# Altium PCB PCB.PcbDoc (part 2 of 3)
Units mm, origin at the board's own origin, x right, y up, seen from the top; angles counter-clockwise.
Board outline 120 x 68 mm, 2 copper layers (Layer 1, Layer 2), stack 1.465 mm thick; 46 components, 6 nets, 90 pads, 3810 vias.
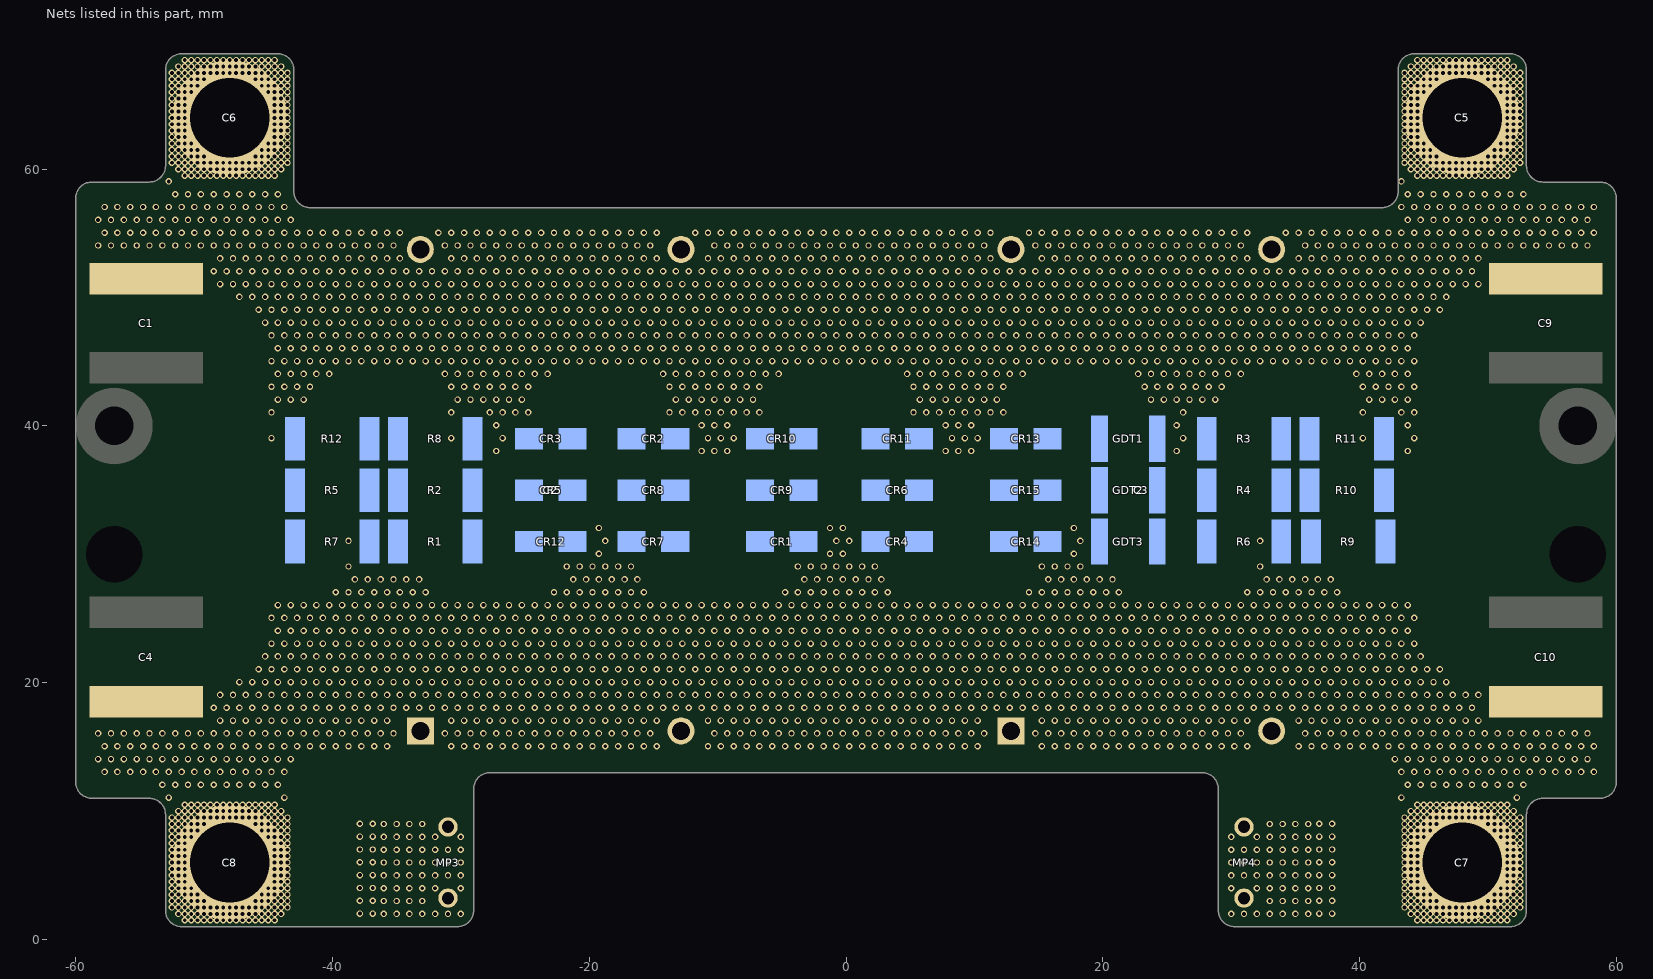
[diagram p2: the nets of this part, all layers, seen from the top]

## Via types
v1: diameter 0.5, hole 0.3, Layer 1 to Layer 2, tented both sides, 3802 vias
v2: diameter 0.635, hole 0.33, Layer 1 to Layer 2, tented both sides, 6 vias
v3: diameter 0.635, hole 0.33, Layer 1 to Layer 2, 2 vias

## Nets (pads, with @x,y where several pads share a name; then routed paths per layer and width w, separated by ;. In a path a pad name is that pad's centre, name@x,y a point inside that pad or via, vN(x,y) a via of type N, cw(c..) or ccw(c..) an arc to the next point about the centre after c; other vN are vias at no path point) (continued)
HV+: C1.1 C2.3 C2.4 C3.3 C3.4 C5.1 C6.1 C9.1 CR1.1 CR2.1 CR3.1 CR4.1 CR5.1 CR6.1 CR7.1 CR8.1 CR9.1 CR10.1 CR11.1 CR12.1 CR13.1 CR14.1 CR15.1 GDT1.1 GDT2.1 GDT3.1 R1.2 R2.2 R3.2 R4.2 R5.2 R6.2 R7.2 R8.2 R9.2 R10.2 R11.2 R12.2
  other v1: -27.245,38.053 -11.245,38.053 -10.245,38.053 -9.245,38.053 7.755,38.053 8.755,38.053 9.755,38.053 25.755,38.053 43.755,38.053 -44.745,39.053 -30.745,39.053 -26.745,39.053 -10.745,39.053 -9.745,39.053 -8.745,39.053 8.255,39.053 9.255,39.053 10.255,39.053 26.255,39.053 40.255,39.053 44.255,39.053 -27.245,40.053 -11.245,40.053 -10.245,40.053 -9.245,40.053 7.755,40.053 8.755,40.053 9.755,40.053 25.755,40.053 43.755,40.053 -44.745,41.053 -30.745,41.053 -27.745,41.053 -26.745,41.053 -25.745,41.053 -24.745,41.053 -13.745,41.053 -12.745,41.053 -11.745,41.053 -10.745,41.053 -9.745,41.053 -8.745,41.053 -7.745,41.053 -6.745,41.053 5.255,41.053 6.255,41.053 7.255,41.053 8.255,41.053 9.255,41.053 10.255,41.053 11.255,41.053 12.255,41.053 26.255,41.053 40.255,41.053 43.255,41.053 44.255,41.053 -44.245,42.053 -43.245,42.053 -42.245,42.053 -30.245,42.053 -29.245,42.053 -28.245,42.053 -27.245,42.053 -26.245,42.053 -25.245,42.053 -13.245,42.053 -12.245,42.053 -11.245,42.053 -10.245,42.053 -9.245,42.053 -8.245,42.053 -7.245,42.053 5.755,42.053 6.755,42.053 7.755,42.053 8.755,42.053 9.755,42.053 10.755,42.053 11.755,42.053 23.755,42.053 24.755,42.053 25.755,42.053 26.755,42.053 27.755,42.053 28.755,42.053 40.755,42.053 41.755,42.053 42.755,42.053 43.755,42.053 -44.745,43.053 -43.745,43.053 -42.745,43.053 -41.745,43.053 -30.745,43.053 -29.745,43.053 -28.745,43.053 -27.745,43.053 -26.745,43.053 -25.745,43.053 -24.745,43.053 -13.745,43.053 -12.745,43.053 -11.745,43.053 -10.745,43.053 -9.745,43.053 -8.745,43.053 -7.745,43.053 -6.745,43.053 5.255,43.053 6.255,43.053 7.255,43.053 8.255,43.053 9.255,43.053 10.255,43.053 11.255,43.053 12.255,43.053 23.255,43.053 24.255,43.053 25.255,43.053 26.255,43.053 27.255,43.053 28.255,43.053 29.255,43.053 40.255,43.053 41.255,43.053 42.255,43.053 43.255,43.053 44.255,43.053 -44.245,44.053 -43.245,44.053 -42.245,44.053 -41.245,44.053 -40.245,44.053 -31.245,44.053 -30.245,44.053 -29.245,44.053 -28.245,44.053 -27.245,44.053 -26.245,44.053 -25.245,44.053 -24.245,44.053 -23.245,44.053 -14.245,44.053 -13.245,44.053 -12.245,44.053 -11.245,44.053 -10.245,44.053 -9.245,44.053 -8.245,44.053 -7.245,44.053 -6.245,44.053 -5.245,44.053 4.755,44.053 5.755,44.053 6.755,44.053 7.755,44.053 8.755,44.053 9.755,44.053 10.755,44.053 11.755,44.053 12.755,44.053 13.755,44.053 22.755,44.053 23.755,44.053 24.755,44.053 25.755,44.053 26.755,44.053 27.755,44.053 28.755,44.053 29.755,44.053 30.755,44.053 39.755,44.053 40.755,44.053 41.755,44.053 42.755,44.053 43.755,44.053 -44.745,45.053 -43.745,45.053 -42.745,45.053 -41.745,45.053 -40.745,45.053 -39.745,45.053 -38.745,45.053 -37.745,45.053 -36.745,45.053 -35.745,45.053 -34.745,45.053 -33.745,45.053 -32.745,45.053 -31.745,45.053 -30.745,45.053 -29.745,45.053 -28.745,45.053 -27.745,45.053 -26.745,45.053 -25.745,45.053 -24.745,45.053 -23.745,45.053 -22.745,45.053 -21.745,45.053 -20.745,45.053 -19.745,45.053 -18.745,45.053 -17.745,45.053 -16.745,45.053 -15.745,45.053 -14.745,45.053 -13.745,45.053 -12.745,45.053 -11.745,45.053 -10.745,45.053 -9.745,45.053 -8.745,45.053 -7.745,45.053 -6.745,45.053 -5.745,45.053 -4.745,45.053 -3.745,45.053 -2.745,45.053 -1.745,45.053 -0.745,45.053 0.255,45.053 1.255,45.053 2.255,45.053 3.255,45.053 4.255,45.053 5.255,45.053 6.255,45.053 7.255,45.053 8.255,45.053 9.255,45.053 10.255,45.053 11.255,45.053 12.255,45.053 13.255,45.053 14.255,45.053 15.255,45.053 16.255,45.053 17.255,45.053 18.255,45.053 19.255,45.053 20.255,45.053 21.255,45.053 22.255,45.053 23.255,45.053 24.255,45.053 25.255,45.053 26.255,45.053 27.255,45.053 28.255,45.053 29.255,45.053 30.255,45.053 31.255,45.053 32.255,45.053 33.255,45.053 34.255,45.053 35.255,45.053 36.255,45.053 37.255,45.053 38.255,45.053 39.255,45.053 40.255,45.053 41.255,45.053 42.255,45.053 43.255,45.053 44.255,45.053 -44.245,46.053 -43.245,46.053 -42.245,46.053 -41.245,46.053 -40.245,46.053 -39.245,46.053 -38.245,46.053 -37.245,46.053 -36.245,46.053 -35.245,46.053 -34.245,46.053 -33.245,46.053 -32.245,46.053 -31.245,46.053 -30.245,46.053 -29.245,46.053 -28.245,46.053 -27.245,46.053 -26.245,46.053 -25.245,46.053 -24.245,46.053 -23.245,46.053 -22.245,46.053 -21.245,46.053 -20.245,46.053 -19.245,46.053 -18.245,46.053 -17.245,46.053 -16.245,46.053 -15.245,46.053 -14.245,46.053 -13.245,46.053 -12.245,46.053 -11.245,46.053 -10.245,46.053 -9.245,46.053 -8.245,46.053 -7.245,46.053 -6.245,46.053 -5.245,46.053 -4.245,46.053 -3.245,46.053 -2.245,46.053 -1.245,46.053 -0.245,46.053 0.755,46.053 1.755,46.053 2.755,46.053 3.755,46.053 4.755,46.053 5.755,46.053 6.755,46.053 7.755,46.053 8.755,46.053 9.755,46.053 10.755,46.053 11.755,46.053 12.755,46.053 13.755,46.053 14.755,46.053 15.755,46.053 16.755,46.053 17.755,46.053 18.755,46.053 19.755,46.053 20.755,46.053 21.755,46.053 22.755,46.053 23.755,46.053 24.755,46.053 25.755,46.053 26.755,46.053 27.755,46.053 28.755,46.053 29.755,46.053 30.755,46.053 31.755,46.053 32.755,46.053 33.755,46.053 34.755,46.053 35.755,46.053 36.755,46.053 37.755,46.053 38.755,46.053 39.755,46.053 40.755,46.053 41.755,46.053 42.755,46.053 43.755,46.053 -44.745,47.053 -43.745,47.053 -42.745,47.053 -41.745,47.053 -40.745,47.053 -39.745,47.053 -38.745,47.053 -37.745,47.053 -36.745,47.053 -35.745,47.053 -34.745,47.053 -33.745,47.053 -32.745,47.053 -31.745,47.053 -30.745,47.053 -29.745,47.053 -28.745,47.053 -27.745,47.053 -26.745,47.053 -25.745,47.053 -24.745,47.053 -23.745,47.053 -22.745,47.053 -21.745,47.053 -20.745,47.053 -19.745,47.053 -18.745,47.053 -17.745,47.053 -16.745,47.053 -15.745,47.053 -14.745,47.053 -13.745,47.053 -12.745,47.053 -11.745,47.053 -10.745,47.053 -9.745,47.053 -8.745,47.053 -7.745,47.053 -6.745,47.053 -5.745,47.053 -4.745,47.053 -3.745,47.053 -2.745,47.053 -1.745,47.053 -0.745,47.053 0.255,47.053 1.255,47.053 2.255,47.053 3.255,47.053 4.255,47.053 5.255,47.053 6.255,47.053 7.255,47.053 8.255,47.053 9.255,47.053 10.255,47.053 11.255,47.053 12.255,47.053 13.255,47.053 14.255,47.053 15.255,47.053 16.255,47.053 17.255,47.053 18.255,47.053 19.255,47.053 20.255,47.053 21.255,47.053 22.255,47.053 23.255,47.053 24.255,47.053 25.255,47.053 26.255,47.053 27.255,47.053 28.255,47.053 29.255,47.053 30.255,47.053 31.255,47.053 32.255,47.053 33.255,47.053 34.255,47.053 35.255,47.053 36.255,47.053 37.255,47.053 38.255,47.053 39.255,47.053 40.255,47.053 41.255,47.053 42.255,47.053 43.255,47.053 44.255,47.053 -45.245,48.053 -44.245,48.053 -43.245,48.053 -42.245,48.053 -41.245,48.053 -40.245,48.053 -39.245,48.053 -38.245,48.053 -37.245,48.053 -36.245,48.053 -35.245,48.053 -34.245,48.053 -33.245,48.053 -32.245,48.053 -31.245,48.053 -30.245,48.053 -29.245,48.053 -28.245,48.053 -27.245,48.053 -26.245,48.053 -25.245,48.053 -24.245,48.053 -23.245,48.053 -22.245,48.053 -21.245,48.053 -20.245,48.053 -19.245,48.053 -18.245,48.053 -17.245,48.053 -16.245,48.053 -15.245,48.053 -14.245,48.053 -13.245,48.053 -12.245,48.053 -11.245,48.053 -10.245,48.053 -9.245,48.053 -8.245,48.053 -7.245,48.053 -6.245,48.053 -5.245,48.053 -4.245,48.053 -3.245,48.053 -2.245,48.053 -1.245,48.053 -0.245,48.053 0.755,48.053 1.755,48.053 2.755,48.053 3.755,48.053 4.755,48.053 5.755,48.053 6.755,48.053 7.755,48.053 8.755,48.053 9.755,48.053 10.755,48.053 11.755,48.053 12.755,48.053 13.755,48.053 14.755,48.053 15.755,48.053 16.755,48.053 17.755,48.053 18.755,48.053 19.755,48.053 20.755,48.053 21.755,48.053 22.755,48.053 23.755,48.053 24.755,48.053 25.755,48.053 26.755,48.053 27.755,48.053 28.755,48.053 29.755,48.053 30.755,48.053 31.755,48.053 32.755,48.053 33.755,48.053 34.755,48.053 35.755,48.053 36.755,48.053 37.755,48.053 38.755,48.053 39.755,48.053 40.755,48.053 41.755,48.053 42.755,48.053 43.755,48.053 44.755,48.053 -45.745,49.053 -44.745,49.053 -43.745,49.053 -42.745,49.053 -41.745,49.053 -40.745,49.053 -39.745,49.053 -38.745,49.053 -37.745,49.053 -36.745,49.053 -35.745,49.053 -34.745,49.053 -33.745,49.053 -32.745,49.053 -31.745,49.053 -30.745,49.053 -29.745,49.053 -28.745,49.053 -27.745,49.053 -26.745,49.053 -25.745,49.053 -24.745,49.053 -23.745,49.053 -22.745,49.053 -21.745,49.053 -20.745,49.053 -19.745,49.053 -18.745,49.053 -17.745,49.053 -16.745,49.053 -15.745,49.053 -14.745,49.053 -13.745,49.053 -12.745,49.053 -11.745,49.053 -10.745,49.053 -9.745,49.053 -8.745,49.053 -7.745,49.053 -6.745,49.053 -5.745,49.053 -4.745,49.053 -3.745,49.053 -2.745,49.053 -1.745,49.053 -0.745,49.053 0.255,49.053 1.255,49.053 2.255,49.053 3.255,49.053 4.255,49.053 5.255,49.053 6.255,49.053 7.255,49.053 8.255,49.053 9.255,49.053 10.255,49.053 11.255,49.053 12.255,49.053 13.255,49.053 14.255,49.053 15.255,49.053 16.255,49.053 17.255,49.053 18.255,49.053 19.255,49.053 20.255,49.053 21.255,49.053 22.255,49.053 23.255,49.053 24.255,49.053 25.255,49.053 26.255,49.053 27.255,49.053 28.255,49.053 29.255,49.053 30.255,49.053 31.255,49.053 32.255,49.053 33.255,49.053 34.255,49.053 35.255,49.053 36.255,49.053 37.255,49.053 38.255,49.053 39.255,49.053 40.255,49.053 41.255,49.053 42.255,49.053 43.255,49.053 44.255,49.053 45.255,49.053 46.255,49.053 -47.245,50.053 -46.245,50.053 -45.245,50.053 -44.245,50.053 -43.245,50.053 -42.245,50.053 -41.245,50.053 -40.245,50.053 -39.245,50.053 -38.245,50.053 -37.245,50.053 -36.245,50.053 -35.245,50.053 -34.245,50.053 -33.245,50.053 -32.245,50.053 -31.245,50.053 -30.245,50.053 -29.245,50.053 -28.245,50.053 -27.245,50.053 -26.245,50.053 -25.245,50.053 -24.245,50.053 -23.245,50.053 -22.245,50.053 -21.245,50.053 -20.245,50.053 -19.245,50.053 -18.245,50.053 -17.245,50.053 -16.245,50.053 -15.245,50.053 -14.245,50.053 -13.245,50.053 -12.245,50.053 -11.245,50.053 -10.245,50.053 -9.245,50.053 -8.245,50.053 -7.245,50.053 -6.245,50.053 -5.245,50.053 -4.245,50.053 -3.245,50.053 -2.245,50.053 -1.245,50.053 -0.245,50.053 0.755,50.053 1.755,50.053 2.755,50.053 3.755,50.053 4.755,50.053 5.755,50.053 6.755,50.053 7.755,50.053 8.755,50.053 9.755,50.053 10.755,50.053 11.755,50.053 12.755,50.053 13.755,50.053 14.755,50.053 15.755,50.053 16.755,50.053 17.755,50.053 18.755,50.053 19.755,50.053 20.755,50.053 21.755,50.053 22.755,50.053 23.755,50.053 24.755,50.053 25.755,50.053 26.755,50.053 27.755,50.053 28.755,50.053 29.755,50.053 30.755,50.053 31.755,50.053 32.755,50.053 33.755,50.053 34.755,50.053 35.755,50.053 36.755,50.053 37.755,50.053 38.755,50.053 39.755,50.053 40.755,50.053 41.755,50.053 42.755,50.053 43.755,50.053 44.755,50.053 45.755,50.053 46.755,50.053 -48.745,51.053 -47.745,51.053 -46.745,51.053 -45.745,51.053 -44.745,51.053 -43.745,51.053 -42.745,51.053 -41.745,51.053 -40.745,51.053 -39.745,51.053 -38.745,51.053 -37.745,51.053 -36.745,51.053 -35.745,51.053 -34.745,51.053 -33.745,51.053 -32.745,51.053 -31.745,51.053 -30.745,51.053 -29.745,51.053 -28.745,51.053 -27.745,51.053 -26.745,51.053 -25.745,51.053 -24.745,51.053 -23.745,51.053 -22.745,51.053 -21.745,51.053 -20.745,51.053 -19.745,51.053 -18.745,51.053 -17.745,51.053 -16.745,51.053 -15.745,51.053 -14.745,51.053 -13.745,51.053 -12.745,51.053 -11.745,51.053 -10.745,51.053 -9.745,51.053 -8.745,51.053 -7.745,51.053 -6.745,51.053 -5.745,51.053 -4.745,51.053 -3.745,51.053 -2.745,51.053 -1.745,51.053 -0.745,51.053 0.255,51.053 1.255,51.053 2.255,51.053 3.255,51.053 4.255,51.053 5.255,51.053 6.255,51.053 7.255,51.053 8.255,51.053 9.255,51.053 10.255,51.053 11.255,51.053 12.255,51.053 13.255,51.053 14.255,51.053 15.255,51.053 16.255,51.053 17.255,51.053 18.255,51.053 19.255,51.053 20.255,51.053 21.255,51.053 22.255,51.053 23.255,51.053 24.255,51.053 25.255,51.053 26.255,51.053 27.255,51.053 28.255,51.053 29.255,51.053 30.255,51.053 31.255,51.053 32.255,51.053 33.255,51.053 34.255,51.053 35.255,51.053 36.255,51.053 37.255,51.053 38.255,51.053 39.255,51.053 40.255,51.053 41.255,51.053 42.255,51.053 43.255,51.053 44.255,51.053 45.255,51.053 46.255,51.053 47.255,51.053 48.255,51.053 49.255,51.053 -49.245,52.053 -48.245,52.053 -47.245,52.053 -46.245,52.053 -45.245,52.053 -44.245,52.053 -43.245,52.053 -42.245,52.053 -41.245,52.053 -40.245,52.053 -39.245,52.053 -38.245,52.053 -37.245,52.053 -36.245,52.053 -35.245,52.053 -34.245,52.053 -33.245,52.053 -32.245,52.053 -31.245,52.053 -30.245,52.053 -29.245,52.053 -28.245,52.053 -27.245,52.053 -26.245,52.053 -25.245,52.053 -24.245,52.053 -23.245,52.053 -22.245,52.053 -21.245,52.053 -20.245,52.053 -19.245,52.053 -18.245,52.053 -17.245,52.053 -16.245,52.053 -15.245,52.053 -14.245,52.053 -13.245,52.053 -12.245,52.053 -11.245,52.053 -10.245,52.053 -9.245,52.053 -8.245,52.053 -7.245,52.053 -6.245,52.053 -5.245,52.053 -4.245,52.053 -3.245,52.053 -2.245,52.053 -1.245,52.053 -0.245,52.053 0.755,52.053 1.755,52.053 2.755,52.053 3.755,52.053 4.755,52.053 5.755,52.053 6.755,52.053 7.755,52.053 8.755,52.053 9.755,52.053 10.755,52.053 11.755,52.053 12.755,52.053 13.755,52.053 14.755,52.053 15.755,52.053 16.755,52.053 17.755,52.053 18.755,52.053 19.755,52.053 20.755,52.053 21.755,52.053 22.755,52.053 23.755,52.053 24.755,52.053 25.755,52.053 26.755,52.053 27.755,52.053 28.755,52.053 29.755,52.053 30.755,52.053 31.755,52.053 32.755,52.053 33.755,52.053 34.755,52.053 35.755,52.053 36.755,52.053 37.755,52.053 38.755,52.053 39.755,52.053 40.755,52.053 41.755,52.053 42.755,52.053 43.755,52.053 44.755,52.053 45.755,52.053 46.755,52.053 47.755,52.053 48.755,52.053 -48.745,53.053 -47.745,53.053 -46.745,53.053 -45.745,53.053 -44.745,53.053 -43.745,53.053 -42.745,53.053 -41.745,53.053 -40.745,53.053 -39.745,53.053 -38.745,53.053 -37.745,53.053 -36.745,53.053 -35.745,53.053 -34.745,53.053 -30.745,53.053 -29.745,53.053 -28.745,53.053 -27.745,53.053 -26.745,53.053 -25.745,53.053 -24.745,53.053 -23.745,53.053 -22.745,53.053 -21.745,53.053 -20.745,53.053 -19.745,53.053 -18.745,53.053 -17.745,53.053 -16.745,53.053 -15.745,53.053 -14.745,53.053 -10.745,53.053 -9.745,53.053 -8.745,53.053 -7.745,53.053 -6.745,53.053 -5.745,53.053 -4.745,53.053 -3.745,53.053 -2.745,53.053 -1.745,53.053 -0.745,53.053 0.255,53.053 1.255,53.053 2.255,53.053 3.255,53.053 4.255,53.053 5.255,53.053 6.255,53.053 7.255,53.053 8.255,53.053 9.255,53.053 10.255,53.053 11.255,53.053 15.255,53.053 16.255,53.053 17.255,53.053 18.255,53.053 19.255,53.053 20.255,53.053 21.255,53.053 22.255,53.053 23.255,53.053 24.255,53.053 25.255,53.053 26.255,53.053 27.255,53.053 28.255,53.053 29.255,53.053 30.255,53.053 31.255,53.053 35.255,53.053 36.255,53.053 37.255,53.053 38.255,53.053 39.255,53.053 40.255,53.053 41.255,53.053 42.255,53.053 43.255,53.053 44.255,53.053 45.255,53.053 46.255,53.053 47.255,53.053 48.255,53.053 49.255,53.053 -58.245,54.053 -57.245,54.053 -56.245,54.053 -55.245,54.053 -54.245,54.053 -53.245,54.053 -52.245,54.053 -51.245,54.053 -50.245,54.053 -49.245,54.053 -48.245,54.053 -47.245,54.053 -46.245,54.053 -45.245,54.053 -44.245,54.053 -43.245,54.053 -42.245,54.053 -41.245,54.053 -40.245,54.053 -39.245,54.053 -38.245,54.053 -37.245,54.053 -36.245,54.053 -35.245,54.053 -31.245,54.053 -30.245,54.053 -29.245,54.053 -28.245,54.053 -27.245,54.053 -26.245,54.053 -25.245,54.053 -24.245,54.053 -23.245,54.053 -22.245,54.053 -21.245,54.053 -20.245,54.053 -19.245,54.053 -18.245,54.053 -17.245,54.053 -16.245,54.053 -15.245,54.053 -10.245,54.053 -9.245,54.053 -8.245,54.053 -7.245,54.053 -6.245,54.053 -5.245,54.053 -4.245,54.053 -3.245,54.053 -2.245,54.053 -1.245,54.053 -0.245,54.053 0.755,54.053 1.755,54.053 2.755,54.053 3.755,54.053 4.755,54.053 5.755,54.053 6.755,54.053 7.755,54.053 8.755,54.053 9.755,54.053 10.755,54.053 14.755,54.053 15.755,54.053 16.755,54.053 17.755,54.053 18.755,54.053 19.755,54.053 20.755,54.053 21.755,54.053 22.755,54.053 23.755,54.053 24.755,54.053 25.755,54.053 26.755,54.053 27.755,54.053 28.755,54.053 29.755,54.053 30.755,54.053 35.755,54.053 36.755,54.053 37.755,54.053 38.755,54.053 39.755,54.053 40.755,54.053 41.755,54.053 42.755,54.053 43.755,54.053 44.755,54.053 45.755,54.053 46.755,54.053 47.755,54.053 48.755,54.053 49.755,54.053 50.755,54.053 51.755,54.053 52.755,54.053 53.755,54.053 54.755,54.053 55.755,54.053 56.755,54.053 57.755,54.053 -57.745,55.053 -56.745,55.053 -55.745,55.053 -54.745,55.053 -53.745,55.053 -52.745,55.053 -51.745,55.053 -50.745,55.053 -49.745,55.053 -48.745,55.053 -47.745,55.053 -46.745,55.053 -45.745,55.053 -44.745,55.053 -43.745,55.053 -42.745,55.053 -41.745,55.053 -40.745,55.053 -39.745,55.053 -38.745,55.053 -37.745,55.053 -36.745,55.053 -35.745,55.053 -34.745,55.053 -31.745,55.053 -30.745,55.053 -29.745,55.053 -28.745,55.053 -27.745,55.053 -26.745,55.053 -25.745,55.053 -24.745,55.053 -23.745,55.053 -22.745,55.053 -21.745,55.053 -20.745,55.053 -19.745,55.053 -18.745,55.053 -17.745,55.053 -16.745,55.053 -15.745,55.053 -14.745,55.053 -11.745,55.053 -10.745,55.053 -9.745,55.053 -8.745,55.053 -7.745,55.053 -6.745,55.053 -5.745,55.053 -4.745,55.053 -3.745,55.053 -2.745,55.053 -1.745,55.053 -0.745,55.053 0.255,55.053 1.255,55.053 2.255,55.053 3.255,55.053 4.255,55.053 5.255,55.053 6.255,55.053 7.255,55.053 8.255,55.053 9.255,55.053 10.255,55.053 11.255,55.053 14.255,55.053 15.255,55.053 16.255,55.053 17.255,55.053 18.255,55.053 19.255,55.053 20.255,55.053 21.255,55.053 22.255,55.053 23.255,55.053 24.255,55.053 25.255,55.053 26.255,55.053 27.255,55.053 28.255,55.053 29.255,55.053 30.255,55.053 31.255,55.053 34.255,55.053 35.255,55.053 36.255,55.053 37.255,55.053 38.255,55.053 39.255,55.053 40.255,55.053 41.255,55.053 42.255,55.053 43.255,55.053 44.255,55.053 45.255,55.053 46.255,55.053 47.255,55.053 48.255,55.053 49.255,55.053 50.255,55.053 51.255,55.053 52.255,55.053 53.255,55.053 54.255,55.053 55.255,55.053 56.255,55.053 57.255,55.053 58.255,55.053 -58.245,56.053 -57.245,56.053 -56.245,56.053 -55.245,56.053 -54.245,56.053 -53.245,56.053 -52.245,56.053 -51.245,56.053 -50.245,56.053 -49.245,56.053 -48.245,56.053 -47.245,56.053 -46.245,56.053 -45.245,56.053 -44.245,56.053 -43.245,56.053 43.755,56.053 44.755,56.053 45.755,56.053 46.755,56.053 47.755,56.053 48.755,56.053 49.755,56.053 50.755,56.053 51.755,56.053 52.755,56.053 53.755,56.053 54.755,56.053 55.755,56.053 56.755,56.053 57.755,56.053 -57.745,57.053 -56.745,57.053 -55.745,57.053 -54.745,57.053 -53.745,57.053 -52.745,57.053 -51.745,57.053 -50.745,57.053 -49.745,57.053 -48.745,57.053 -47.745,57.053 -46.745,57.053 -45.745,57.053 -44.745,57.053 -43.745,57.053 43.255,57.053 44.255,57.053 45.255,57.053 46.255,57.053 47.255,57.053 48.255,57.053 49.255,57.053 50.255,57.053 51.255,57.053 52.255,57.053 53.255,57.053 54.255,57.053 55.255,57.053 56.255,57.053 57.255,57.053 58.255,57.053 -52.245,58.053 -51.245,58.053 -50.245,58.053 -49.245,58.053 -48.245,58.053 -47.245,58.053 -46.245,58.053 -45.245,58.053 -44.245,58.053 43.755,58.053 44.755,58.053 45.755,58.053 46.755,58.053 47.755,58.053 48.755,58.053 49.755,58.053 50.755,58.053 51.755,58.053 52.755,58.053 -52.745,59.053 43.255,59.053 -51.5,59.5 -51,59.5 -50.5,59.5 -50,59.5 -49.5,59.5 -49,59.5 -48.5,59.5 -48,59.5 -47.5,59.5 -47,59.5 -46.5,59.5 -46,59.5 -45.5,59.5 -45,59.5 -44.5,59.5 44.5,59.5 45,59.5 45.5,59.5 46,59.5 46.5,59.5 47,59.5 47.5,59.5 48,59.5 48.5,59.5 49,59.5 49.5,59.5 50,59.5 50.5,59.5 51,59.5 51.5,59.5 -52,60 -51.5,60 -51,60 -50.5,60 -50,60 -49.5,60 -49,60 -48.5,60 -48,60 -47.5,60 -47,60 -46.5,60 -46,60 -45.5,60 -45,60 -44.5,60 -44,60 44,60 44.5,60 45,60 45.5,60 46,60 46.5,60 47,60 47.5,60 48,60 48.5,60 49,60 49.5,60 50,60 50.5,60 51,60 51.5,60 52,60 -52.5,60.5 -52,60.5 -51.5,60.5 -51,60.5 -50.5,60.5 -50,60.5 -49.5,60.5 -49,60.5 -48.5,60.5 -48,60.5 -47.5,60.5 -47,60.5 -46.5,60.5 -46,60.5 -45.5,60.5 -45,60.5 -44.5,60.5 -44,60.5 -43.5,60.5 43.5,60.5 44,60.5 44.5,60.5 45,60.5 45.5,60.5 46,60.5 46.5,60.5 47,60.5 47.5,60.5 48,60.5 48.5,60.5 49,60.5 49.5,60.5 50,60.5 50.5,60.5 51,60.5 51.5,60.5 52,60.5 52.5,60.5 -52.5,61 -52,61 -51.5,61 -51,61 -50.5,61 -50,61 -46,61 -45.5,61 -45,61 -44.5,61 -44,61 -43.5,61 43.5,61 44,61 44.5,61 45,61 45.5,61 46,61 50,61 50.5,61 51,61 51.5,61 52,61 52.5,61 -52.5,61.5 -52,61.5 -51.5,61.5 -51,61.5 -50.5,61.5 -45.5,61.5 -45,61.5 -44.5,61.5 -44,61.5 -43.5,61.5 43.5,61.5 44,61.5 44.5,61.5 45,61.5 45.5,61.5 50.5,61.5 51,61.5 51.5,61.5 52,61.5 52.5,61.5 -52.5,62 -52,62 -51.5,62 -51,62 -45,62 -44.5,62 -44,62 -43.5,62 43.5,62 44,62 44.5,62 45,62 51,62 51.5,62 52,62 52.5,62 -52.5,62.5 -52,62.5 -51.5,62.5 -44.5,62.5 -44,62.5 -43.5,62.5 43.5,62.5 44,62.5 44.5,62.5 51.5,62.5 52,62.5 52.5,62.5 -52.5,63 -52,63 -51.5,63 -44.5,63 -44,63 -43.5,63 43.5,63 44,63 44.5,63 51.5,63 52,63 52.5,63 -52.5,63.5 -52,63.5 -51.5,63.5 -44.5,63.5 -44,63.5 -43.5,63.5 43.5,63.5 44,63.5 44.5,63.5 51.5,63.5 52,63.5 52.5,63.5 -52.5,64 -52,64 -51.5,64 -44.5,64 -44,64 -43.5,64 43.5,64 44,64 44.5,64 51.5,64 52,64 52.5,64 -52.5,64.5 -52,64.5 -51.5,64.5 -44.5,64.5 -44,64.5 -43.5,64.5 43.5,64.5 44,64.5 44.5,64.5 51.5,64.5 52,64.5 52.5,64.5 -52.5,65 -52,65 -51.5,65 -44.5,65 -44,65 -43.5,65 43.5,65 44,65 44.5,65 51.5,65 52,65 52.5,65 -52.5,65.5 -52,65.5 -51.5,65.5 -44.5,65.5 -44,65.5 -43.5,65.5 43.5,65.5 44,65.5 44.5,65.5 51.5,65.5 52,65.5 52.5,65.5 -52.5,66 -52,66 -51.5,66 -51,66 -45,66 -44.5,66 -44,66 -43.5,66 43.5,66 44,66 44.5,66 45,66 51,66 51.5,66 52,66 52.5,66 -52.5,66.5 -52,66.5 -51.5,66.5 -51,66.5 -50.5,66.5 -45.5,66.5 -45,66.5 -44.5,66.5 -44,66.5 -43.5,66.5 43.5,66.5 44,66.5 44.5,66.5 45,66.5 45.5,66.5 50.5,66.5 51,66.5 51.5,66.5 52,66.5 52.5,66.5 -52.5,67 -52,67 -51.5,67 -51,67 -50.5,67 -50,67 -46,67 -45.5,67 -45,67 -44.5,67 -44,67 -43.5,67 43.5,67 44,67 44.5,67 45,67 45.5,67 46,67 50,67 50.5,67 51,67 51.5,67 52,67 52.5,67 -52.5,67.5 -52,67.5 -51.5,67.5 -51,67.5 -50.5,67.5 -50,67.5 -49.5,67.5 -49,67.5 -48.5,67.5 -48,67.5 -47.5,67.5 -47,67.5 -46.5,67.5 -46,67.5 -45.5,67.5 -45,67.5 -44.5,67.5 -44,67.5 -43.5,67.5 43.5,67.5 44,67.5 44.5,67.5 45,67.5 45.5,67.5 46,67.5 46.5,67.5 47,67.5 47.5,67.5 48,67.5 48.5,67.5 49,67.5 49.5,67.5 50,67.5 50.5,67.5 51,67.5 51.5,67.5 52,67.5 52.5,67.5 -52,68 -51.5,68 -51,68 -50.5,68 -50,68 -49.5,68 -49,68 -48.5,68 -48,68 -47.5,68 -47,68 -46.5,68 -46,68 -45.5,68 -45,68 -44.5,68 -44,68 44,68 44.5,68 45,68 45.5,68 46,68 46.5,68 47,68 47.5,68 48,68 48.5,68 49,68 49.5,68 50,68 50.5,68 51,68 51.5,68 52,68 -51.5,68.5 -51,68.5 -50.5,68.5 -50,68.5 -49.5,68.5 -49,68.5 -48.5,68.5 -48,68.5 -47.5,68.5 -47,68.5 -46.5,68.5 -46,68.5 -45.5,68.5 -45,68.5 -44.5,68.5 44.5,68.5 45,68.5 45.5,68.5 46,68.5 46.5,68.5 47,68.5 47.5,68.5 48,68.5 48.5,68.5 49,68.5 49.5,68.5 50,68.5 50.5,68.5 51,68.5 51.5,68.5